# Altium PCB ESP_MusicToy.PcbDoc (part 1 of 2) (continued)
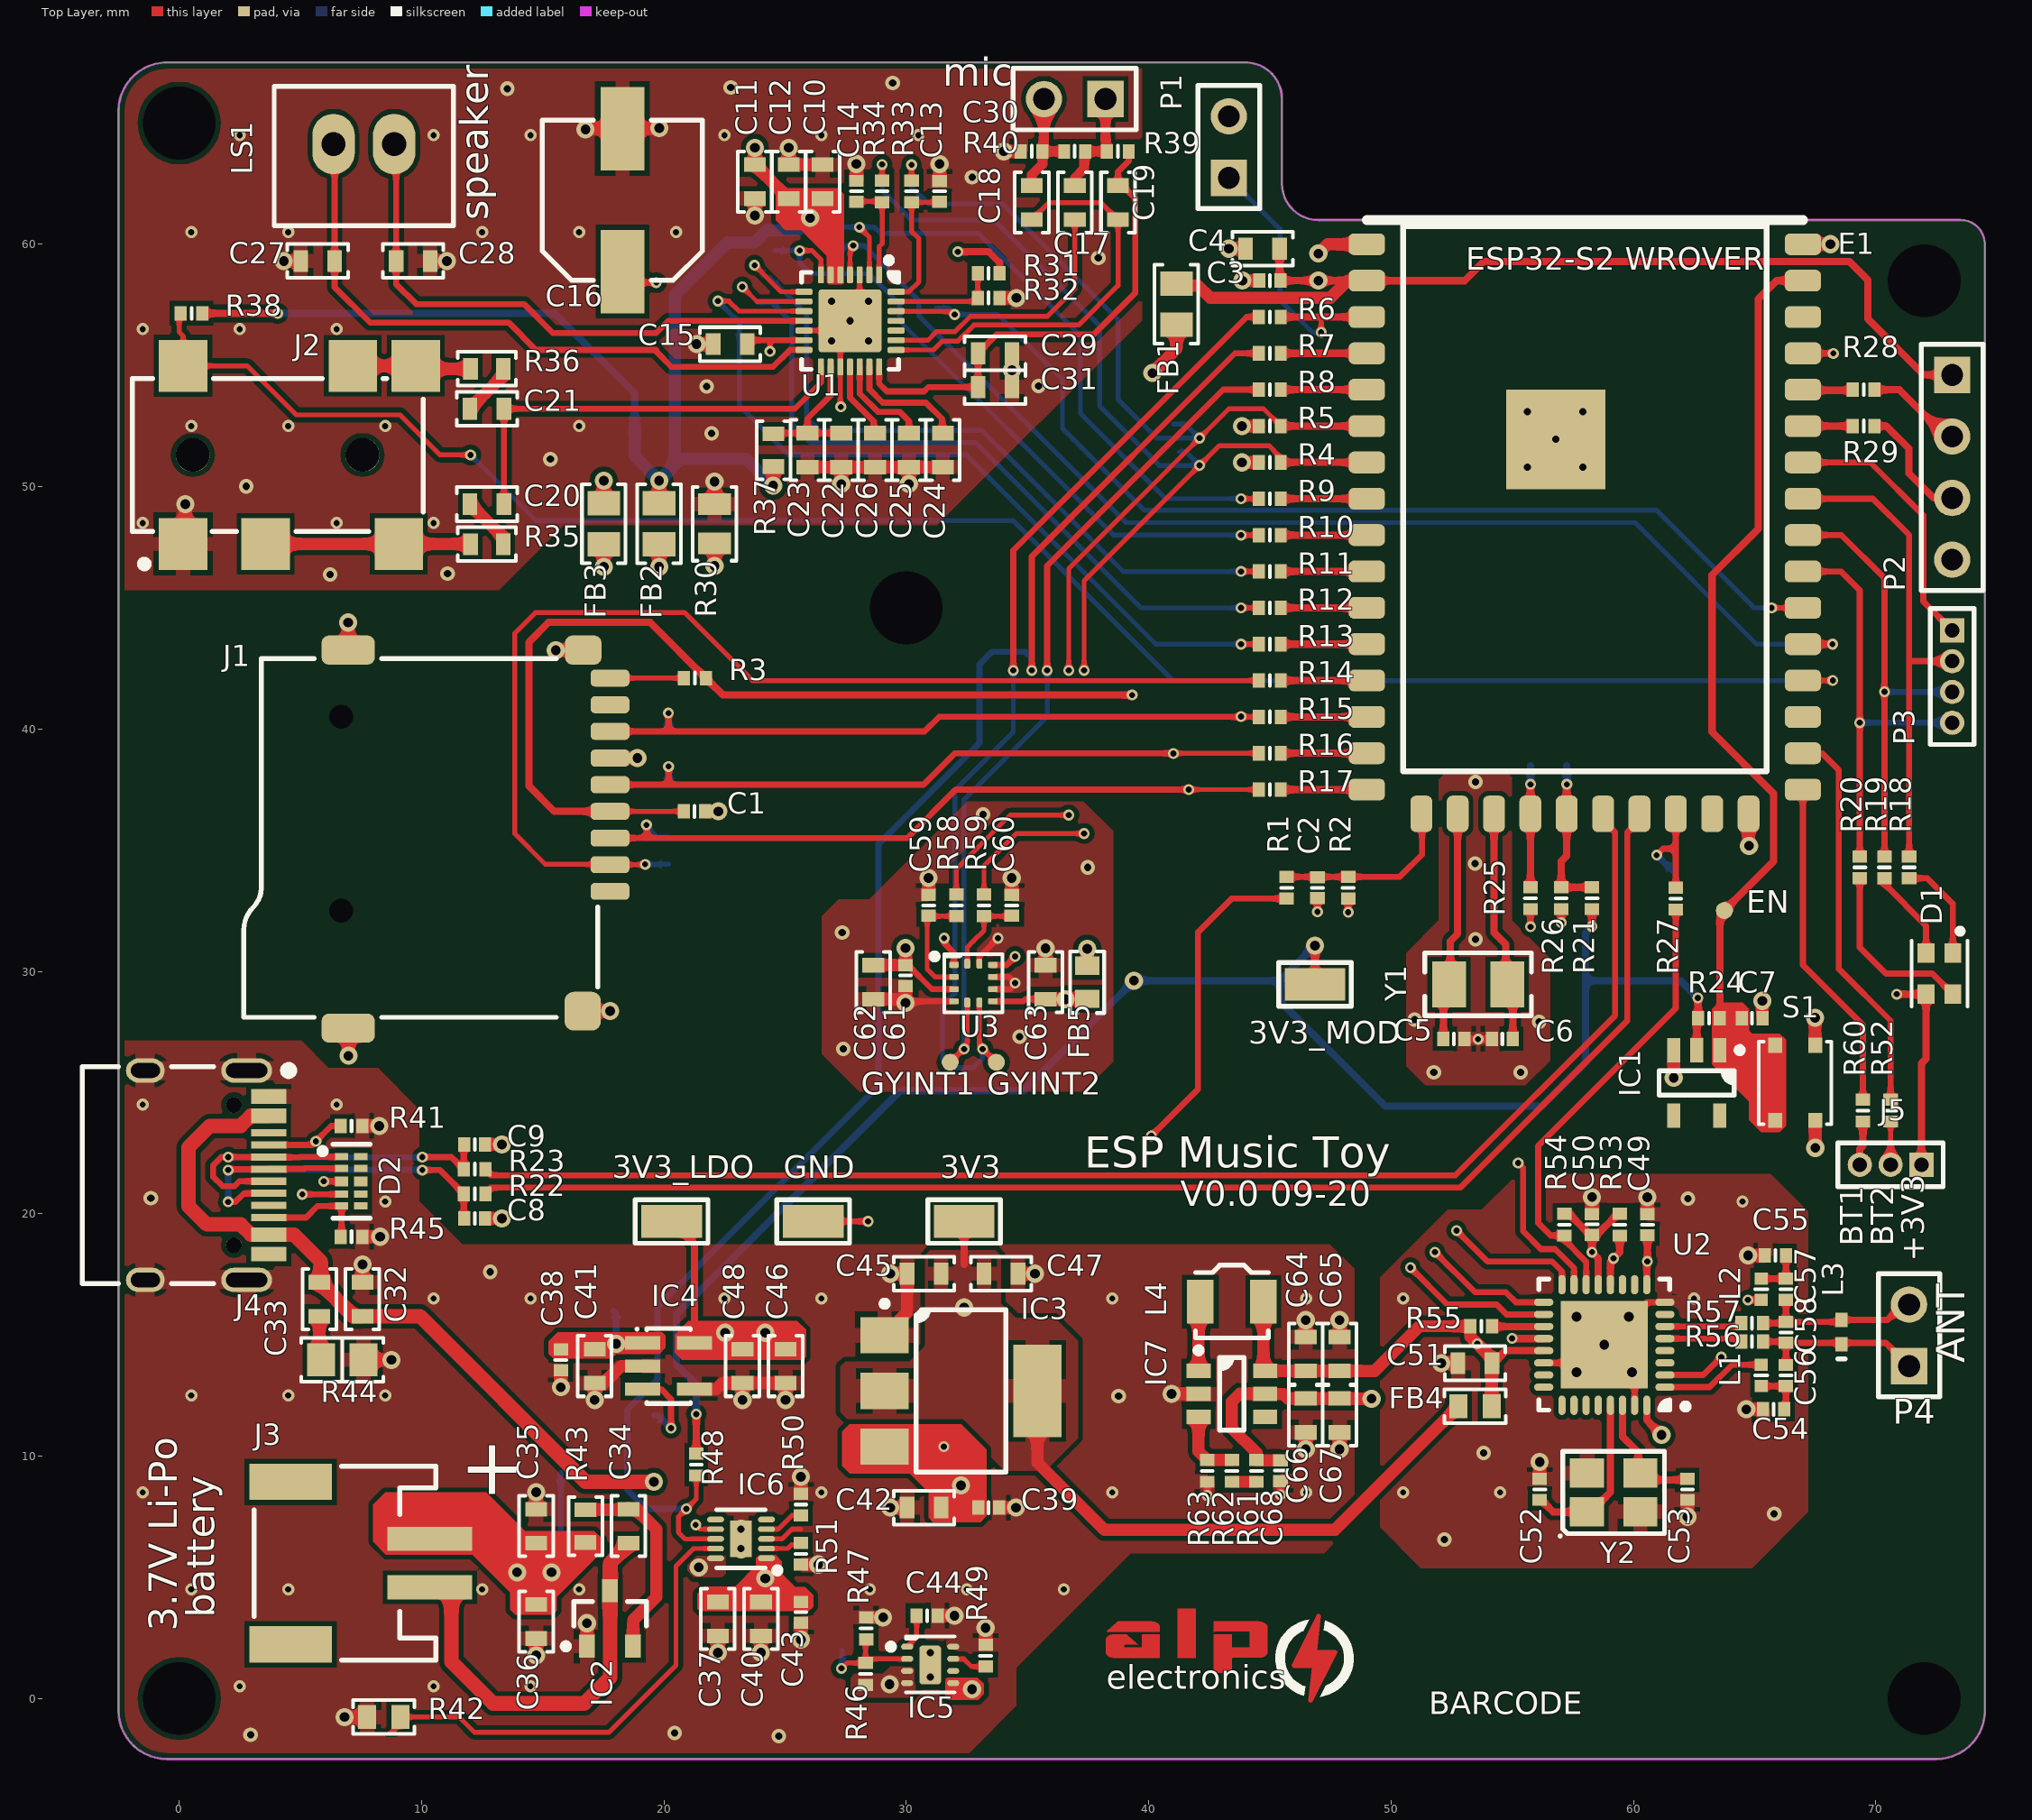
[diagram p0: Top Layer view]
## Part data (continued)
IC3: "IC REG LDO 3.3V 1A SOT223", Current - Limit (Min)=1.1A, Device Package="TO-261-4, TO-261AA", Manufacturer="ON Semiconductor", Operating Temperature="0C ~ 125C", Supplier Part Number 1=NCP1117LPST33T3GOSTR-ND, Voltage - Input="Up to 18V", Voltage - Output=3.3V, Voltage Dropout="1.3V @ 1A", ComponentLink1Description=Datasheet, ComponentLink1URL=http://www.onsemi.com/pub_link/Collateral/NCP1117LP-D.PDF, ComponentLink2Description="Digi-Key Listing", ComponentLink2URL=http://www.digikey.ca/product-detail/en/NCP1117LPST33T3G/NCP1117LPST33T3GOSTR-ND/2194024, Part Number=NCP1117LPST33T3G, PartId=7931, Price=0,1843, Supplier 1=Digi-Key, Topology="Positive Fixed"
IC4: library part TPS736xx, "LDO"
IC6: "IC LI-ION CHRG 800MA 6.6V 10SON", Device Package="10-WFDFN Exposed Pad", Manufacturer="Texas Instruments", Operating Temperature="-40C ~ 85C", Supplier Part Number 1=296-25136-2-ND, Voltage Supply="3.5 V ~ 28 V", Battery Chemistry="Li-Ion, Li-Pol", ComponentLink1Description=Datasheet, ComponentLink1URL=http://www.ti.com/lit/ds/symlink/bq24040.pdf, ComponentLink2Description="Digi-Key Listing", ComponentLink2URL=http://www.digikey.com/product-detail/en/BQ24040DSQT/296-25136-2-ND/2165906, Function="Charge Management", Part Number=BQ24040DSQT, PartId=9307, Price=0,9352, Series=-, Supplier 1=Digi-Key
IC7: "550KHz High Efficiency Low Ripple Synchronous Step-Up Converter"
J1: "MICRO SD PUSH/PUSH SMALL 8C", Manufacturer="SHOU HAN", Supplier Part Number 1=C393941, ComponentLink1Description=Datasheet, ComponentLink1URL=https://datasheet.lcsc.com/szlcsc/1912111437_SHOU-HAN-TF-PUSH_C393941.pdf, ComponentLink2Description="LCSC Listing", ComponentLink2URL=https://lcsc.com/product-detail/Card-Sockets-Connectors_SHOU-HAN-TF-PUSH_C393941.html, Connector Type="Connector and Ejector", Contact Finish=Nickel, Features=Switch, Mounting Type="Surface Mount, Right Angle", Number of Positions="9(8 + 1)", Part Number="TF PUSH", PartId=9290, Supplier 1=LCSC, Type="Connector and Ejector"
J3: library part S2B-PH-SM4-TB(LF)(SN), "CONN HEADER SMD R/A 2POS 2MM", Current Rating (Amps)=2A, Insulation Color=Natural, Manufacturer="JST Sales America Inc.", Material Flammability Rating="UL94 V-0", Operating Temperature="-25°C ~ 85°C", Supplier Part Number 1=455-1749-1-ND, Voltage Rating=100V, ComponentLink1Description=Datasheet, ComponentLink1URL=http://www.jst-mfg.com/product/pdf/eng/ePH.pdf, ComponentLink2Description="DigiKey Link", ComponentLink2URL=http://digikey.com/product-detail/en/jst-sales-america-inc/S2B-PH-SM4-TB-LF-SN/455-1749-1-ND/926846, Connector Type=Header, Contact Finish - Mating=Tin, Contact Finish - Post=Tin, Contact Length - Mating="0.130\" (3.30mm)", Contact Material="Copper Alloy", Contact Shape=Square, Contact Type="Male Pin", Fastening Type="Detent Lock", Features="Solder Retention", Insulation Height="0.217\" (5.51mm)", Insulation Material="Polyamide (PA6T), Nylon 6T", LastUpdated="2020-01-15 03:45:11", Lifecycle Status=Active, Minimum Order=1, Mounting Type="Surface Mount, Right Angle", Number of Positions=2, Number of Positions Loaded=All, Number of Rows=1, Packaging=TapeAndReel, Part Number=S2B-PH-SM4-TB(LF)(SN), Part Status=Active, PartId=115, Pitch - Mating="0.079\" (2.00mm)", Price=0.27, Series=PH, Shrouding="Shrouded - 4 Wall", Style="Board to Cable/Wire", Supplier 1=DigiKey, Termination=Solder
J4: "CONN USB 2.0 TYPE-C R/A SMT", Manufacturer=Hiro, Supplier Part Number 1=C165948, ComponentLink1Description=Datasheet, ComponentLink1URL=https://datasheet.lcsc.com/szlcsc/1811131825_Korean-Hroparts-Elec-TYPE-C-31-M-12_C165948.pdf, ComponentLink2Description="LCSC Listing", ComponentLink2URL=https://lcsc.com/product-detail/USB-Type-C_Korean-Hroparts-Elec-TYPE-C-31-M-12_C165948.html, Number of Positions=12, Part Number="HIRO TYPE-C-31-M-12", PartId=9703, Series="USB 3.0", Supplier 1=LCSC, Type="USB - C"
J5: "Header, 3-Pin", LatestRevisionDate=17-Jul-2002, LatestRevisionNote="Re-released for DXP Platform.", Publisher="Altium Limited"
L1 L2: library part LQW15AN56NG00D, "FIXED IND 56NH 200MA 1.17 OHM", DC Resistance="1.17 Ohm Max", Device Package="0402 (1005 Metric)", Manufacturer="Murata Electronics North America", Q at Frequency="25 @ 200MHz", Supplier Part Number 1=490-6830-2-ND, TemperatureRange="-55C ~ 125C", Tolerance=2%, ComponentLink1Description=Datasheet, ComponentLink1URL=http://search.murata.co.jp/Ceramy/image/img/PDF/ENG/L0075S0080LQW15A_00.pdf, ComponentLink2Description="Digi-Key listing", ComponentLink2URL=http://digikey.com/product-detail/en/LQW15AN56NG00D/490-6830-2-ND/2594932, Part Number=LQW15AN56NG00D, PartId=6404, Price=0,0807, Shielding=Unshielded, Supplier 1=Digi-Key, Type=Wirewound
L3: library part Inductor, "Inductor", Clearence="Clearence 0.3 mm", Code_IEC=1005, Code_JEITA=0402, L_ANT="1.1 uH", LatestRevisionDate=29-May-2009, LatestRevisionNote="IPC-7351 Footprint Added.", Length="Lentgh 25 mm", PackageDescription="Chip Inductor", PackageReference=0402-A, Published=8-Jun-2000, Publisher="Altium Limited", R_ANT="0.665 ohm", TraceWidth="TraceWidth 0.3 mm", Width="Width 15 mm"
L4: library part SPM3012T-4R7M, "FIXED IND 4.7UH 1.3A 270 MOHM", Current Rating=1.3A, DC Resistance (DCR)="270 mOhm Max", Device Package=Nonstandard, Frequency - Self Resonant=-, Manufacturer="TDK Corporation", Operating Temperature="-40C ~ 125C", Supplier Part Number 1=445-8932-2-ND, Tolerance=20%, ComponentLink1Description=Datasheet, ComponentLink1URL=https://product.tdk.com/info/en/catalog/datasheets/inductor_commercial_power_spm3012_en.pdf, ComponentLink2Description="Digi-Key Listing", ComponentLink2URL=https://www.digikey.com/product-detail/en/SPM3012T-4R7M/445-8932-2-ND/3641271, Inductance=4.7uH, Part Number=SPM3012T-4R7M, PartId=9592, Price=0.616, Q @ Freq=-, Series=SPM, Shielding=Shielded, Supplier 1=Digi-Key, Type=Wirewound
LS1: "Loudspeaker", LatestRevisionDate=17-Jul-2002, LatestRevisionNote="Re-released for DXP Platform.", PackageReference=PIN2, Published=24-Mar-1999, Publisher="Altium Limited"
mic: "Microphone", LatestRevisionDate=17-Jul-2002, LatestRevisionNote="Re-released for DXP Platform.", PackageReference=PIN2, Published=24-Mar-1999, Publisher="Altium Limited"
P1: library part "Header 2", "Header, 2-Pin", LatestRevisionDate=17-Jul-2002, LatestRevisionNote="Re-released for DXP Platform.", Publisher="Altium Limited"
P2 P3: "Header, 4-Pin", LatestRevisionDate=17-Jul-2002, LatestRevisionNote="Re-released for DXP Platform.", Publisher="Altium Limited"
P4: "Header, 2-Pin", LatestRevisionDate=17-Jul-2002, LatestRevisionNote="Re-released for DXP Platform.", Publisher="Altium Limited"
R1 R2: library part ERJ-2RKF1002X, "RES SMD 10K OHM 1% 1/10W 0402", Device Package="0402 (1005 Metric)", Manufacturer="Panasonic Electronic Components", PowerRating="0.1W, 1/10W", Supplier Part Number 1=P10.0KLTR-ND, TemperatureCoefficient=100ppm/C, TemperatureRange="-55C ~ 155C", Tolerance=1%, ComponentLink1Description=Datasheet, ComponentLink1URL=http://industrial.panasonic.com/www-cgi/jvcr13pz.cgi?E+PZ+3+AOA0002+ERJ2RKF1002X+7+WW, ComponentLink2Description="Digikey listing", ComponentLink2URL=http://digikey.com/product-detail/en/ERJ-2RKF1002X/P10.0KLTR-ND/192073, Part Number=ERJ-2RKF1002X, PartId=1, Price=0,0043, Supplier 1=Digi-Key, Type="Thick Film"
R3: library part RC0402JR-0747KL, "RES SMD 47K OHM 5% 1/16W 0402", Device Package="0402 (1005 Metric)", Manufacturer=Yageo, PowerRating="0.063W, 1/16W", Supplier Part Number 1=311-47KJRTR-ND, TemperatureCoefficient=100ppm/C, TemperatureRange="-55C ~ 155C", Tolerance=5%, ComponentLink1Description=Datasheet, ComponentLink1URL=http://www.yageo.com/documents/recent/PYu-RC_Group_51_RoHS_L_04.pdf, ComponentLink2Description="Digi-Key Listing", ComponentLink2URL=https://www.digikey.com/product-detail/en/yageo/RC0402JR-0747KL/311-47KJRTR-ND/726485, Part Number=RC0402JR-0747KL, PartId=14467, Price=0,0017, Supplier 1=Digi-Key
R4 R5 R50 R62: library part ERJ-2GEJ202X, "RES SMD 2K OHM 5% 1/10W 0402", Device Package="0402 (1005 Metric)", Manufacturer="Panasonic Electronic Components", PowerRating="0.1W, 1/10W", Supplier Part Number 1=P2.0KJTR-ND, TemperatureCoefficient=200ppm/C, TemperatureRange="-55C ~ 155C", Tolerance=5%, ComponentLink1Description=Datasheet, ComponentLink1URL=http://industrial.panasonic.com/www-cgi/jvcr13pz.cgi?E+PZ+3+AOA0001+ERJ2GEJ202X+7+WW, ComponentLink2Description="Digi-Key Listing", ComponentLink2URL=https://www.digikey.com/product-detail/en/panasonic-electronic-components/ERJ-2GEJ202X/P2.0KJTR-ND/146958, Part Number=ERJ-2GEJ202X, PartId=11049, Price=0,0019, Supplier 1=Digi-Key
R6 R7 R8 R9 R10 R11 R12 R13 R14 R15 R16 R17 R25 R26 R27 R33 R34 R52 R58 R59 R60: library part ERJ-2GEJ330X, "RES SMD 33 OHM 5% 1/10W 0402", Device Package="0402 (1005 Metric)", Manufacturer="Panasonic Electronic Components", PowerRating="0.1W, 1/10W", Supplier Part Number 1=P33JTR-ND, TemperatureCoefficient=200ppm/C, TemperatureRange="-55C ~ 155C", Tolerance=5%, ComponentLink1Description=Datasheet, ComponentLink1URL=http://industrial.panasonic.com/www-cgi/jvcr13pz.cgi?E+PZ+3+AOA0001+ERJ2GEJ330X+7+WW, ComponentLink2Description="Digi-Key Listing", ComponentLink2URL=https://www.digikey.com/product-detail/en/panasonic-electronic-components/ERJ-2GEJ330X/P33JTR-ND/146980, Part Number=ERJ-2GEJ330X, PartId=10984, Price=0,0019, Supplier 1=Digi-Key
R18: library part RC0402JR-07360RL, "RES SMD 360 OHM 5% 1/16W 0402", Device Package="0402 (1005 Metric)", Manufacturer=Yageo, PowerRating="0.063W, 1/16W", Supplier Part Number 1=311-360JRTR-ND, TemperatureCoefficient=100ppm/C, TemperatureRange="-55C ~ 155C", Tolerance=5%, ComponentLink1Description=Datasheet, ComponentLink1URL=http://www.yageo.com/documents/recent/PYu-RC_Group_51_RoHS_L_04.pdf, ComponentLink2Description="Digi-Key Listing", ComponentLink2URL=https://www.digikey.com/product-detail/en/yageo/RC0402JR-07360RL/311-360JRTR-ND/726469, Part Number=RC0402JR-07360RL, PartId=14562, Price=0,0017, Supplier 1=Digi-Key
R19 R20: library part RC0402JR-07150RL, "RES SMD 150 OHM 5% 1/16W 0402", Device Package="0402 (1005 Metric)", Manufacturer=Yageo, PowerRating="0.063W, 1/16W", Supplier Part Number 1=311-150JRTR-ND, TemperatureCoefficient=100ppm/C, TemperatureRange="-55C ~ 155C", Tolerance=5%, ComponentLink1Description=Datasheet, ComponentLink1URL=http://www.yageo.com/documents/recent/PYu-RC_Group_51_RoHS_L_04.pdf, ComponentLink2Description="Digi-Key Listing", ComponentLink2URL=https://www.digikey.com/product-detail/en/yageo/RC0402JR-07150RL/311-150JRTR-ND/726424, Part Number=RC0402JR-07150RL, PartId=14495, Price=0,0017, Supplier 1=Digi-Key
R21 R24 R31 R32 R48: library part RC0402JR-0710KL, "RES SMD 10K OHM 5% 1/16W 0402", Device Package="0402 (1005 Metric)", Manufacturer=Yageo, PowerRating="0.063W, 1/16W", Supplier Part Number 1=311-10KJRTR-ND, TemperatureCoefficient=100ppm/C, TemperatureRange="-55C ~ 155C", Tolerance=5%, ComponentLink1Description=Datasheet, ComponentLink1URL=http://www.yageo.com/documents/recent/PYu-RC_Group_51_RoHS_L_04.pdf, ComponentLink2Description="Digi-Key Listing", ComponentLink2URL=https://www.digikey.com/product-detail/en/yageo/RC0402JR-0710KL/311-10KJRTR-ND/726418, Part Number=RC0402JR-0710KL, PartId=14464, Price=0,0017, Supplier 1=Digi-Key
R22 R23: library part AC0402JR-070RL, "RES SMD 0.0OHM JUMPER 1/16W 0402", Device Package="0402 (1005 Metric)", Manufacturer=Yageo, PowerRating="0.063W, 1/16W", Supplier Part Number 1=311-0.0LBTR-ND, TemperatureRange="-55C ~ 155C", Tolerance=Jumper, ComponentLink1Description=Datasheet, ComponentLink1URL=http://www.yageo.com/NewPortal/yageodocoutput?fileName=/pdf/R-Chip/PYu-AC_51_RoHS_L_5.pdf, ComponentLink2Description="Digi-Key Listing", ComponentLink2URL=https://www.digikey.com/product-detail/en/yageo/AC0402JR-070RL/311-0.0LBTR-ND/2827807, Part Number=AC0402JR-070RL, PartId=16139, Price=0,0027, Supplier 1=Digi-Key
R28 R29: library part ERJ-2RKF4990X, "RES SMD 499 OHM 1% 1/10W 0402", Device Package="0402 (1005 Metric)", Manufacturer="Panasonic Electronic Components", PowerRating="0.1W, 1/10W", Supplier Part Number 1=P499LTR-ND, TemperatureCoefficient=100ppm/C, TemperatureRange="-55C ~ 155C", Tolerance=1%, ComponentLink1Description=Datasheet, ComponentLink1URL=http://industrial.panasonic.com/www-cgi/jvcr13pz.cgi?E+PZ+3+AOA0002+ERJ2RKF4990X+7+WW, ComponentLink2Description="Digikey listing", ComponentLink2URL=http://digikey.com/product-detail/en/ERJ-2RKF4990X/P499LTR-ND/192384, Part Number=ERJ-2RKF4990X, PartId=24, Price=0,0043, Supplier 1=Digi-Key, Type="Thick Film"
R30: library part CR0805-J/-000ELF, "RES SMD 0.0 OHM JUMPER 1/8W 0805", Device Package="0805 (2012 Metric)", Manufacturer="Bourns Inc.", PowerRating="0.125W, 1/8W", Supplier Part Number 1=CR0805-J/-000ELFTR-ND, TemperatureRange="-55C ~ 155C", Tolerance=Jumper, ComponentLink1Description=Datasheet, ComponentLink1URL=http://www.bourns.com/docs/Product-Datasheets/CHPREZTR.pdf, ComponentLink2Description="Digi-Key Listing", ComponentLink2URL=https://www.digikey.com/product-detail/en/bourns-inc/CR0805-J%2F-000ELF/CR0805-J%2F-000ELFTR-ND/3593157, Part Number=CR0805-J/-000ELF, PartId=16155, Price=0,011, Supplier 1=Digi-Key
R35 R36: library part ERJ-3GEYJ220V, "RES SMD 22 OHM 5% 1/10W 0603", Device Package="0603 (1608 Metric)", Manufacturer="Panasonic Electronic Components", PowerRating="0.1W, 1/10W", Supplier Part Number 1=P22GTR-ND, TemperatureCoefficient=200ppm/C, TemperatureRange="-55C ~ 155C", Tolerance=5%, ComponentLink1Description=Datasheet, ComponentLink1URL=http://industrial.panasonic.com/www-cgi/jvcr13pz.cgi?E+PZ+3+AOA0001+ERJ3GEYJ220V+7+WW, ComponentLink2Description="Digi-Key Listing", ComponentLink2URL=https://www.digikey.com/product-detail/en/panasonic-electronic-components/ERJ-3GEYJ220V/P22GTR-ND/135600, Part Number=ERJ-3GEYJ220V, PartId=11193, Price=0,002, Supplier 1=Digi-Key
R37: library part ERJ-3GEYJ1R0V, "RES SMD 1 OHM 5% 1/10W 0603", Device Package="0603 (1608 Metric)", Manufacturer="Panasonic Electronic Components", PowerRating="0.1W, 1/10W", Supplier Part Number 1=P1.0GTR-ND, TemperatureCoefficient="-100/ +600ppm/C", TemperatureRange="-55C ~ 155C", Tolerance=5%, ComponentLink1Description=Datasheet, ComponentLink1URL=http://industrial.panasonic.com/www-cgi/jvcr13pz.cgi?E+PZ+3+AOA0001+ERJ3GEYJ1R0V+7+WW, ComponentLink2Description="Digi-Key Listing", ComponentLink2URL=https://www.digikey.com/product-detail/en/panasonic-electronic-components/ERJ-3GEYJ1R0V/P1.0GTR-ND/282111, Part Number=ERJ-3GEYJ1R0V, PartId=11204, Price=0,002, Supplier 1=Digi-Key
R38: library part ERJ-2RKF2212X, "RES SMD 22.1K OHM 1% 1/10W 0402", Device Package="0402 (1005 Metric)", Manufacturer="Panasonic Electronic Components", PowerRating="0.1W, 1/10W", Supplier Part Number 1=P22.1KLTR-ND, TemperatureCoefficient=100ppm/C, TemperatureRange="-55C ~ 155C", Tolerance=1%, ComponentLink1Description=Datasheet, ComponentLink1URL=http://industrial.panasonic.com/www-cgi/jvcr13pz.cgi?E+PZ+3+AOA0002+ERJ2RKF2212X+7+WW, ComponentLink2Description="Digikey listing", ComponentLink2URL=http://digikey.com/product-detail/en/ERJ-2RKF2212X/P22.1KLTR-ND/192228, Part Number=ERJ-2RKF2212X, PartId=234, Price=0,0043, Supplier 1=Digi-Key, Type="Thick Film"
R39 R40: library part RC0402JR-072K2L, "RES SMD 2.2K OHM 5% 1/16W 0402", Device Package="0402 (1005 Metric)", Manufacturer=Yageo, PowerRating="0.063W, 1/16W", Supplier Part Number 1=311-2.2KJRTR-ND, TemperatureCoefficient=100ppm/C, TemperatureRange="-55C ~ 155C", Tolerance=5%, ComponentLink1Description=Datasheet, ComponentLink1URL=http://www.yageo.com/documents/recent/PYu-RC_Group_51_RoHS_L_04.pdf, ComponentLink2Description="Digi-Key Listing", ComponentLink2URL=https://www.digikey.com/product-detail/en/yageo/RC0402JR-072K2L/311-2.2KJRTR-ND/726436, Part Number=RC0402JR-072K2L, PartId=14475, Price=0,0017, Supplier 1=Digi-Key
R41 R45: library part ERJ-2RKF5101X, "RES SMD 5.1K OHM 1% 1/10W 0402", Device Package="0402 (1005 Metric)", Manufacturer="Panasonic Electronic Components", PowerRating="0.1W, 1/10W", Supplier Part Number 1=P5.10KLTR-ND, TemperatureCoefficient=100ppm/C, TemperatureRange="-55C ~ 155C", Tolerance=1%, ComponentLink1Description=Datasheet, ComponentLink1URL=http://industrial.panasonic.com/www-cgi/jvcr13pz.cgi?E+PZ+3+AOA0002+ERJ2RKF5101X+7+WW, ComponentLink2Description="Digikey listing", ComponentLink2URL=http://digikey.com/product-detail/en/ERJ-2RKF5101X/P5.10KLTR-ND/1746242, Part Number=ERJ-2RKF5101X, PartId=274, Price=0,0043, Supplier 1=Digi-Key, Type="Thick Film"
R42: library part B57330V2103J260, "NTC 0603 10K OHM 5%", B Value Tolerance=3%, Device Package="0603 (1608 Metric)", Manufacturer="EPCOS (TDK)", Power - Max=180mW, Resistance Tolerance=5%, Supplier Part Number 1=495-5817-2-ND, TemperatureRange="-55C ~ 125C", B25/50=3380K, B25/85=3435K, B25/100=3455K, ComponentLink1Description=Datasheet, ComponentLink1URL=https://product.tdk.com/search-template/en/documents/data_sheet/50/db/ntc_13/NTC_SMD_Standard_series_0603.pdf, ComponentLink2Description="Digi-Key Listing", ComponentLink2URL=https://www.digikey.com/product-detail/en/epcos-tdk/B57330V2103J260/495-5817-2-ND/4360622, Part Number=B57330V2103J260, PartId=16688, Price=0,1225, Resistance in Ohms @ 25C=10k, Supplier 1=Digi-Key
R43: library part ERJ-3GEYJ101V, "RES SMD 100 OHM 5% 1/10W 0603", Device Package="0603 (1608 Metric)", Manufacturer="Panasonic Electronic Components", PowerRating="0.1W, 1/10W", Supplier Part Number 1=P100GTR-ND, TemperatureCoefficient=200ppm/C, TemperatureRange="-55C ~ 155C", Tolerance=5%, ComponentLink1Description=Datasheet, ComponentLink1URL=http://industrial.panasonic.com/www-cgi/jvcr13pz.cgi?E+PZ+3+AOA0001+ERJ3GEYJ101V+7+WW, ComponentLink2Description="Digi-Key Listing", ComponentLink2URL=https://www.digikey.com/product-detail/en/panasonic-electronic-components/ERJ-3GEYJ101V/P100GTR-ND/135659, Part Number=ERJ-3GEYJ101V, PartId=11179, Price=0,002, Supplier 1=Digi-Key
R44: library part RC0805FR-073R48L, "RES SMD 3.48 OHM 1% 1/8W 0805", Device Package="0805 (2012 Metric)", Manufacturer=Yageo, Operating Temperature="-55°C ~ 155°C", Power (Watts)="0.125W, 1/8W", Supplier Device Package=0805, Supplier Part Number 1=311-3.48CRCT-ND, Temperature Coefficient=±200ppm/°C, Tolerance=±1%, ComponentLink1Description=Datasheet, ComponentLink1URL=https://www.yageo.com/upload/media/product/productsearch/datasheet/rchip/PYu-RC_Group_51_RoHS_L_10.pdf, ComponentLink2Description="DigiKey Link", ComponentLink2URL=http://digikey.com/product-detail/en/yageo/RC0805FR-073R48L/311-3.48CRCT-ND/730768, Composition="Thick Film", Features="Moisture Resistant", Height - Seated (Max)="0.024\" (0.60mm)", LastUpdated="21/01/2020 01:49:21", Lifecycle Status=Active, Minimum Order=1, Number of Terminations=2, Package / Case="0805 (2012 Metric)", Packaging=TapeAndReel, Part Number=RC0805FR-073R48L, Part Status=Active, PartId=29394, Price=0.01, Resistance="3.48 Ohms", Series=RC, Size / Dimension="0.079\" L x 0.049\" W (2.00mm x 1.25mm)", Supplier 1=DigiKey
R46: library part ERJ-2RKF1004X, "RES SMD 1M OHM 1% 1/10W 0402", Device Package="0402 (1005 Metric)", Manufacturer="Panasonic Electronic Components", PowerRating="0.1W, 1/10W", Supplier Part Number 1=P1.00MLTR-ND, TemperatureCoefficient=100ppm/C, TemperatureRange="-55C ~ 155C", Tolerance=1%, ComponentLink1Description=Datasheet, ComponentLink1URL=http://industrial.panasonic.com/www-cgi/jvcr13pz.cgi?E+PZ+3+AOA0002+ERJ2RKF1004X+7+WW, ComponentLink2Description="Digikey listing", ComponentLink2URL=http://digikey.com/product-detail/en/ERJ-2RKF1004X/P1.00MLTR-ND/79728, Part Number=ERJ-2RKF1004X, PartId=7, Price=0,0043, Supplier 1=Digi-Key, Type="Thick Film"
R47: library part ERJ-2RKF5763X, "RES SMD 576K OHM 1% 1/10W 0402", Device Package="0402 (1005 Metric)", Manufacturer="Panasonic Electronic Components", PowerRating="0.1W, 1/10W", Supplier Part Number 1=P576KLTR-ND, TemperatureCoefficient=100ppm/C, TemperatureRange="-55C ~ 155C", Tolerance=1%, ComponentLink1Description=Datasheet, ComponentLink1URL=http://industrial.panasonic.com/www-cgi/jvcr13pz.cgi?E+PZ+3+AOA0002+ERJ2RKF5763X+7+WW, ComponentLink2Description="Digikey listing", ComponentLink2URL=http://digikey.com/product-detail/en/ERJ-2RKF5763X/P576KLTR-ND/192415, Part Number=ERJ-2RKF5763X, PartId=437, Price=0,0043, Supplier 1=Digi-Key, Type="Thick Film"
R49: library part ERJ-2RKF1801X, "RES SMD 1.8K OHM 1% 1/10W 0402", Device Package="0402 (1005 Metric)", Manufacturer="Panasonic Electronic Components", PowerRating="0.1W, 1/10W", Supplier Part Number 1=P1.80KLTR-ND, TemperatureCoefficient=100ppm/C, TemperatureRange="-55C ~ 155C", Tolerance=1%, ComponentLink1Description=Datasheet, ComponentLink1URL=http://industrial.panasonic.com/www-cgi/jvcr13pz.cgi?E+PZ+3+AOA0002+ERJ2RKF1801X+7+WW, ComponentLink2Description="Digikey listing", ComponentLink2URL=http://digikey.com/product-detail/en/ERJ-2RKF1801X/P1.80KLTR-ND/1746140, Part Number=ERJ-2RKF1801X, PartId=153, Price=0,0043, Supplier 1=Digi-Key, Type="Thick Film"
R51: library part ERJ-2RKF1001X, "RES SMD 1K OHM 1% 1/10W 0402", Device Package="0402 (1005 Metric)", Manufacturer="Panasonic Electronic Components", PowerRating="0.1W, 1/10W", Supplier Part Number 1=P1.00KLTR-ND, TemperatureCoefficient=100ppm/C, TemperatureRange="-55C ~ 155C", Tolerance=1%, ComponentLink1Description=Datasheet, ComponentLink1URL=http://industrial.panasonic.com/www-cgi/jvcr13pz.cgi?E+PZ+3+AOA0002+ERJ2RKF1001X+7+WW, ComponentLink2Description="Digikey listing", ComponentLink2URL=http://digikey.com/product-detail/en/ERJ-2RKF1001X/P1.00KLTR-ND/79729, Part Number=ERJ-2RKF1001X, PartId=4, Price=0,0043, Supplier 1=Digi-Key, Type="Thick Film"
R53 R54 R55: library part RC0402JR-073K3L, "RES SMD 3.3K OHM 5% 1/16W 0402", Device Package="0402 (1005 Metric)", Manufacturer=Yageo, PowerRating="0.063W, 1/16W", Supplier Part Number 1=311-3.3KJRTR-ND, TemperatureCoefficient=100ppm/C, TemperatureRange="-55C ~ 155C", Tolerance=5%, ComponentLink1Description=Datasheet, ComponentLink1URL=http://www.yageo.com/documents/recent/PYu-RC_Group_51_RoHS_L_04.pdf, ComponentLink2Description="Digi-Key Listing", ComponentLink2URL=https://www.digikey.com/product-detail/en/yageo/RC0402JR-073K3L/311-3.3KJRTR-ND/726456, Part Number=RC0402JR-073K3L, PartId=14533, Price=0,0017, Supplier 1=Digi-Key
R56 R57: library part ERJ-2RKF3300X, "RES SMD 330 OHM 1% 1/10W 0402", Device Package="0402 (1005 Metric)", Manufacturer="Panasonic Electronic Components", PowerRating="0.1W, 1/10W", Supplier Part Number 1=P330LTR-ND, TemperatureCoefficient=100ppm/C, TemperatureRange="-55C ~ 155C", Tolerance=1%, ComponentLink1Description=Datasheet, ComponentLink1URL=http://industrial.panasonic.com/www-cgi/jvcr13pz.cgi?E+PZ+3+AOA0002+ERJ2RKF3300X+7+WW, ComponentLink2Description="Digikey listing", ComponentLink2URL=http://digikey.com/product-detail/en/ERJ-2RKF3300X/P330LTR-ND/1746189, Part Number=ERJ-2RKF3300X, PartId=165, Price=0,0043, Supplier 1=Digi-Key, Type="Thick Film"
R61: library part ERJ-2RKF5233X, "RES SMD 523K OHM 1% 1/10W 0402", Device Package="0402 (1005 Metric)", Manufacturer="Panasonic Electronic Components", PowerRating="0.1W, 1/10W", Supplier Part Number 1=P523KLTR-ND, TemperatureCoefficient=100ppm/C, TemperatureRange="-55C ~ 155C", Tolerance=1%, ComponentLink1Description=Datasheet, ComponentLink1URL=http://industrial.panasonic.com/www-cgi/jvcr13pz.cgi?E+PZ+3+AOA0002+ERJ2RKF5233X+7+WW, ComponentLink2Description="Digikey listing", ComponentLink2URL=http://digikey.com/product-detail/en/ERJ-2RKF5233X/P523KLTR-ND/192400, Part Number=ERJ-2RKF5233X, PartId=461, Price=0,0043, Supplier 1=Digi-Key, Type="Thick Film"
R63: library part ERJ-2RKF1003X, "RES SMD 100K OHM 1% 1/10W 0402", Device Package="0402 (1005 Metric)", Manufacturer="Panasonic Electronic Components", PowerRating="0.1W, 1/10W", Supplier Part Number 1=P100KLTR-ND, TemperatureCoefficient=100ppm/C, TemperatureRange="-55C ~ 155C", Tolerance=1%, ComponentLink1Description=Datasheet, ComponentLink1URL=http://industrial.panasonic.com/www-cgi/jvcr13pz.cgi?E+PZ+3+AOA0002+ERJ2RKF1003X+7+WW, ComponentLink2Description="Digikey listing", ComponentLink2URL=http://digikey.com/product-detail/en/ERJ-2RKF1003X/P100KLTR-ND/192081, Part Number=ERJ-2RKF1003X, PartId=2, Price=0,0043, Supplier 1=Digi-Key, Type="Thick Film"
S1: "SWITCH TACTILE SPST-NO 0.05A 16V", Manufacturer=ALPS, Supplier Part Number 1=688-SKSGACE010, ComponentLink1Description=Datasheet, ComponentLink1URL=https://www.mouser.se/datasheet/2/15/SKSG-1370727.pdf, ComponentLink2Description="Mouser Listing", ComponentLink2URL=https://www.mouser.se/ProductDetail/ALPS/SKSGACE010?qs=Ptl%2FSkKmb3BEFq%252BG855%2Fog==, Part Number=SKSGACE010, PartId=16471, Supplier 1=Mouser
U1: "IC AMP AUDIO CODEC  1.8W QFN28", Device Package=28-QFN, Manufacturer="Evereset Semi", Max Output Power x Channels @ Load="1.8W x1 @ 4Ω 4.2V", Operating Temperature="-40C ~ 85C (TA)", Voltage Supply="3.3 V ~ 5 V", ComponentLink1Description=Datasheet, ComponentLink1URL=https://datasheet.lcsc.com/szlcsc/1912111437_Everest-semi-Everest-Semiconductor-ES8374_C365738.pdf, ComponentLink2Description="LCSC Listing", ComponentLink2URL=https://lcsc.com/product-detail/Codec-ICs_Everest-Semiconductor-ES8374_C365738.html, Output Type="1-Channel (Mono)", Part Number=ES8374, PartId=9316, Supplier 1=LCSC, Supplier Part Number 1=ES8374, Type="Class D"
U3: "3 AXIS ACCEL 12LGA", Manufacturer=QST, Operating Temperature="-40C ~ 85C (TA)", Supplier Part Number 1=C457290, ComponentLink1Description=Datasheet, ComponentLink1URL=https://datasheet.lcsc.com/szlcsc/2004281102_QST-QMA7981_C457290.pdf, ComponentLink2Description="LCSC Listing", ComponentLink2URL=https://lcsc.com/product-detail/Motion-Sensors-Accelerometers_QST-QMA7981_C457290.html, Output Type="IC, SPI", Part Number=QMA7981, PartId=16471, Sensor Type="Accelerometer, 3 Axis", Series=MotionTracking, Supplier 1=LCSC, Type=Multifunction
Y1: library part ABS07-32.768KHZ-T, "CRYSTAL 32.7680KHZ 12.5PF SMD", Device Package=2-SMD, Frequency Stability=-, Frequency Tolerance=20ppm, Load Capacitance=12.5pF, Manufacturer="Abracon LLC", Operating Mode=Fundamental, Supplier Part Number 1=535-9542-2-ND, ComponentLink1Description=Datasheet, ComponentLink1URL=http://www.abracon.com/Resonators/ABS07.pdf, ComponentLink2Description="Digi-Key Listing", ComponentLink2URL=http://www.digikey.com/product-detail/en/ABS07-32.768KHZ-T/535-9542-2-ND/1236858, ESR="70 kOhm", Frequency=32.768kHz, Part Number=ABS07-32.768KHZ-T, PartId=8487, Price=0,3, Supplier 1=Digi-Key, Type="kHz Crystal (Tuning Fork)"
Y2: library part NX3225SA-27.12M-STD-CSR-3, "CRYSTAL 27.1200MHZ 8PF SMD", Device Package="4-SMD, No Lead (DFN, LCC)", Frequency Stability=10ppm, Load Capacitance=10pF, Manufacturer=NDK, Operating Mode=Fundamental, Part Number=TXM27.12M0004322DBBDO00T, Supplier Part Number 1=644-1237-2-ND, ComponentLink1Description=Datasheet, ComponentLink1URL=http://www.ndk.com/images/products/catalog/c_NX3225SA-STD-CSR-3_e.pdf, ComponentLink2Description="Digi-Key Listing", ComponentLink2URL=http://www.digikey.com/product-detail/en/NX3225SA-27.12M-STD-CSR-3/644-1237-2-ND/4914451, ESR="30 Ohm", Frequency=27.12MHz, Frequency Tolerance=10ppm, PartId=8523, Price=0,3842, Supplier 1=Digi-Key, Type="MHz Crystal"

## Free pads (board coordinates)
  rrect50% 0x0 hole 3 unplated: M(0,0) M(0,65) M(30,45) M(72,0) M(72,58.5)

## Via types
v1: diameter 0.75, hole 0.4, Top Layer to Bottom Layer, tented both sides, 109 vias
v2: diameter 0.45, hole 0.25, Top Layer to Bottom Layer, tented both sides, 90 vias
v3: diameter 0.5, hole 0.25, Top Layer to Bottom Layer, tented both sides, 52 vias
v4: diameter 0.6, hole 0.3, Top Layer to Bottom Layer, tented both sides, 46 vias
v5: diameter 0.8, hole 0.3, Top Layer to Bottom Layer, tented both sides, 2 vias

## Nets (pads, with @x,y where several pads share a name; then routed paths per layer and width w, separated by ;. In a path a pad name is that pad's centre, name@x,y a point inside that pad or via, vN(x,y) a via of type N, cw(c..) or ccw(c..) an arc to the next point about the centre after c; other vN are vias at no path point)
+3V3: 3V3.1 C45.2 C47.2 FB1.1 FB4.1 IC3.2 IC3.4 | length 69.6
  Top Layer w0.3: 32.385,17.907 3V3.1@32.385,19.685
  Top Layer w0.5: IC3.4@35.408,12.689 35.408,9.727 38.176,6.96 47.684,6.96 FB4.1@52.781,12.057 ; v1(40.158,54.686) 41.148,55.677 FB1.1@41.148,56.681
  Layer 2 w0.5: v1(32.385,16.129) 32.385,21.412 38.583,27.61 38.583,53.111 v1(40.158,54.686)
+3V3_GYRO: C61.2 C62.2 C63.2 FB5.2 U3.1 U3.3 U3.7 U3.10 | length 21.2
  Top Layer w0.25: C61.2@29.972,30.261 30.065,30.261 31.059,29.266 U3.3@31.966,29.266 ; v2(31.563,31.369) 31.563,31.161 31.966,30.758 U3.1@31.966,30.266 ; U3.7@33.566,28.766 34.837,28.766 34.925,28.854 35.745,28.854 C63.2@35.747,28.851 ; U3.10@33.566,30.266 34.146,30.266 v2(34.492,30.612)
  Top Layer w0.5: C62.2@28.635,30.251 28.645,30.261 C61.2@29.972,30.261 v1(29.972,30.958) ; C63.2@35.747,28.851 v1(36.576,28.851) 37.451,28.851 FB5.2@37.465,28.866
  Layer 2 w0.5: v1(29.972,30.958) 31.974,30.958 ; v2(31.563,31.369) 31.974,30.958 ; v2(34.492,30.612) 32.32,30.612 ; v1(36.576,28.851) 33.659,28.851 32.32,30.19 32.32,30.612 ; 31.974,30.958 32.32,30.612
+3V3_LDO: 3V3_LDO.1 C46.2 C48.2 FB2.1 FB5.1 IC4.5 | length 54.8
  Top Layer w0.3: 3V3_LDO.1@20.32,19.685 21.268,18.737 IC4.5@21.268,14.666
  Top Layer w0.5: v1(19.805,46.688) FB2.1@19.805,47.616 ; FB5.1@37.465,30.237 v1(37.465,30.934)
  Layer 2 w0.5: v1(19.805,46.688) 19.805,44.099 24.181,39.724 24.181,32.663 ; v1(24.181,15.088) 24.181,32.663 ; v1(37.465,30.934) 37.465,31.471 36.297,32.639 24.205,32.639 24.181,32.663
  other v1: 22.53,15.088
+3V3_MOD: 3V3_MOD.1 C1.2 C3.2 C4.2 D1.3 E1.2 FB1.2 IC1.2 J1.4 J5.1 P2.1 R3.2 R4.2 R5.2 R21.1 R24.2 R48.2 | length 200.2
  Top Layer w0.2: J1.4@17.776,36.601 C1.2@20.828,36.601
  Top Layer w0.3: J1.4@17.776,36.601 15.469,36.601 14.427,37.643 14.427,43.586 15.24,44.399 19.43,44.399 R3.2@21.728,42.101 22.427,41.402 v2(39.319,41.402) ; R48.2@21.336,10.102 21.336,11.557 21.361,11.582 21.336,11.608 v2(21.336,11.735) ; C4.2@45.404,59.817 45.404,58.528 C3.2@45.432,58.5 v1(47,58.5) 48.213,58.5 ; 3V3_MOD.1@46.863,29.464 v1(46.863,31.064) ; E1.2@49,58.5 49.004,58.496 53.035,58.496 53.823,59.284 68.91,59.284 69.672,58.522 69.672,56.921 71.984,54.61 P2.1@73.152,54.61 ; v2(58.293,31.852) R21.1@58.293,32.57 ; IC1.2@62.611,26.75 62.611,28.009 R24.2@62.669,28.067 62.669,28.898 v2(62.662,28.905) ; v2(70.866,29.058) 70.868,29.059 D1.3@72.077,29.059 72.077,26.398 71.882,26.203 J5.1@71.882,22.022
  Top Layer w0.5: FB1.2@41.148,58.293 42.037,58.293 42.545,57.785 47.498,57.785 48.213,58.5 E1.2@49,58.5 ; v1(43.853,51) R4.2@44.55,51 ; v1(43.853,52.5) R5.2@44.55,52.5
  Layer 2 w0.3: v2(39.319,41.402) 39.334,41.417 39.726,41.417 ; v1(39.395,29.616) 39.395,40.691 39.726,41.021 39.726,41.417 ; v1(47,58.5) 47,57.566 43.853,54.419 v1(43.853,52.5) v1(43.853,51) 39.726,46.873 39.726,41.417 ; v2(62.662,28.905) 63.805,30.048 68.885,30.048 69.875,29.058 v2(70.866,29.058)
  Bottom Layer w0.3: v2(21.336,11.735) 21.336,12.954 20.523,13.767 20.523,15.85 29.743,25.07 34.849,25.07 v1(39.395,29.616) 45.415,29.616 ; v1(46.863,31.064) 45.415,29.616 ; v2(58.293,31.852) 58.02,31.579 58.02,29.616 ; v2(62.662,28.905) 61.951,29.616 58.02,29.616 ; 45.415,29.616 45.415,28.778 49.759,24.435 56.21,24.435 58.039,26.264 58.02,26.282 58.02,29.616
+3V3_NFC: C50.2 C51.2 C64.2 C65.2 FB4.2 IC7.6 L4.1 R53.1 R54.1 R55.1 U2.13 U2.21 | length 30.8
  Top Layer w0.3: C51.2@54.229,13.843 54.733,14.347 U2.21@56.301,14.347 ; R54.1@57.15,19.939 57.404,19.939 58.293,19.05 v2(58.293,18.415) 58.551,18.157 U2.13@58.551,17.072 ; C50.2@58.42,19.05 59.37,20 R53.1@59.436,20
  Top Layer w0.5: L4.1@44.734,16.375 44.734,13.508 IC7.6@44.78,13.462 ; IC7.6@44.809,13.515 47.878,13.515 C65.2@47.879,13.516 49.33,13.516 51.173,15.359 R55.1@53.271,15.359 53.271,14.928 v2(53.559,14.64) 54.153,14.046 C51.2@54.153,13.767 ; FB4.2@54.153,12.057 C51.2@54.153,13.767 ; C51.2@54.167,13.835 C51.2@54.221,13.835 ; C51.2@54.229,13.843 C51.2@54.221,13.835 ; C51.2@54.153,13.767 C51.2@54.221,13.835
  Layer 2 w0.5: v2(53.559,14.64) 53.559,16.729 55.245,18.415 v2(58.293,18.415)